# Altium PCB PCB1.PcbDoc (part 1 of 3) (continued)
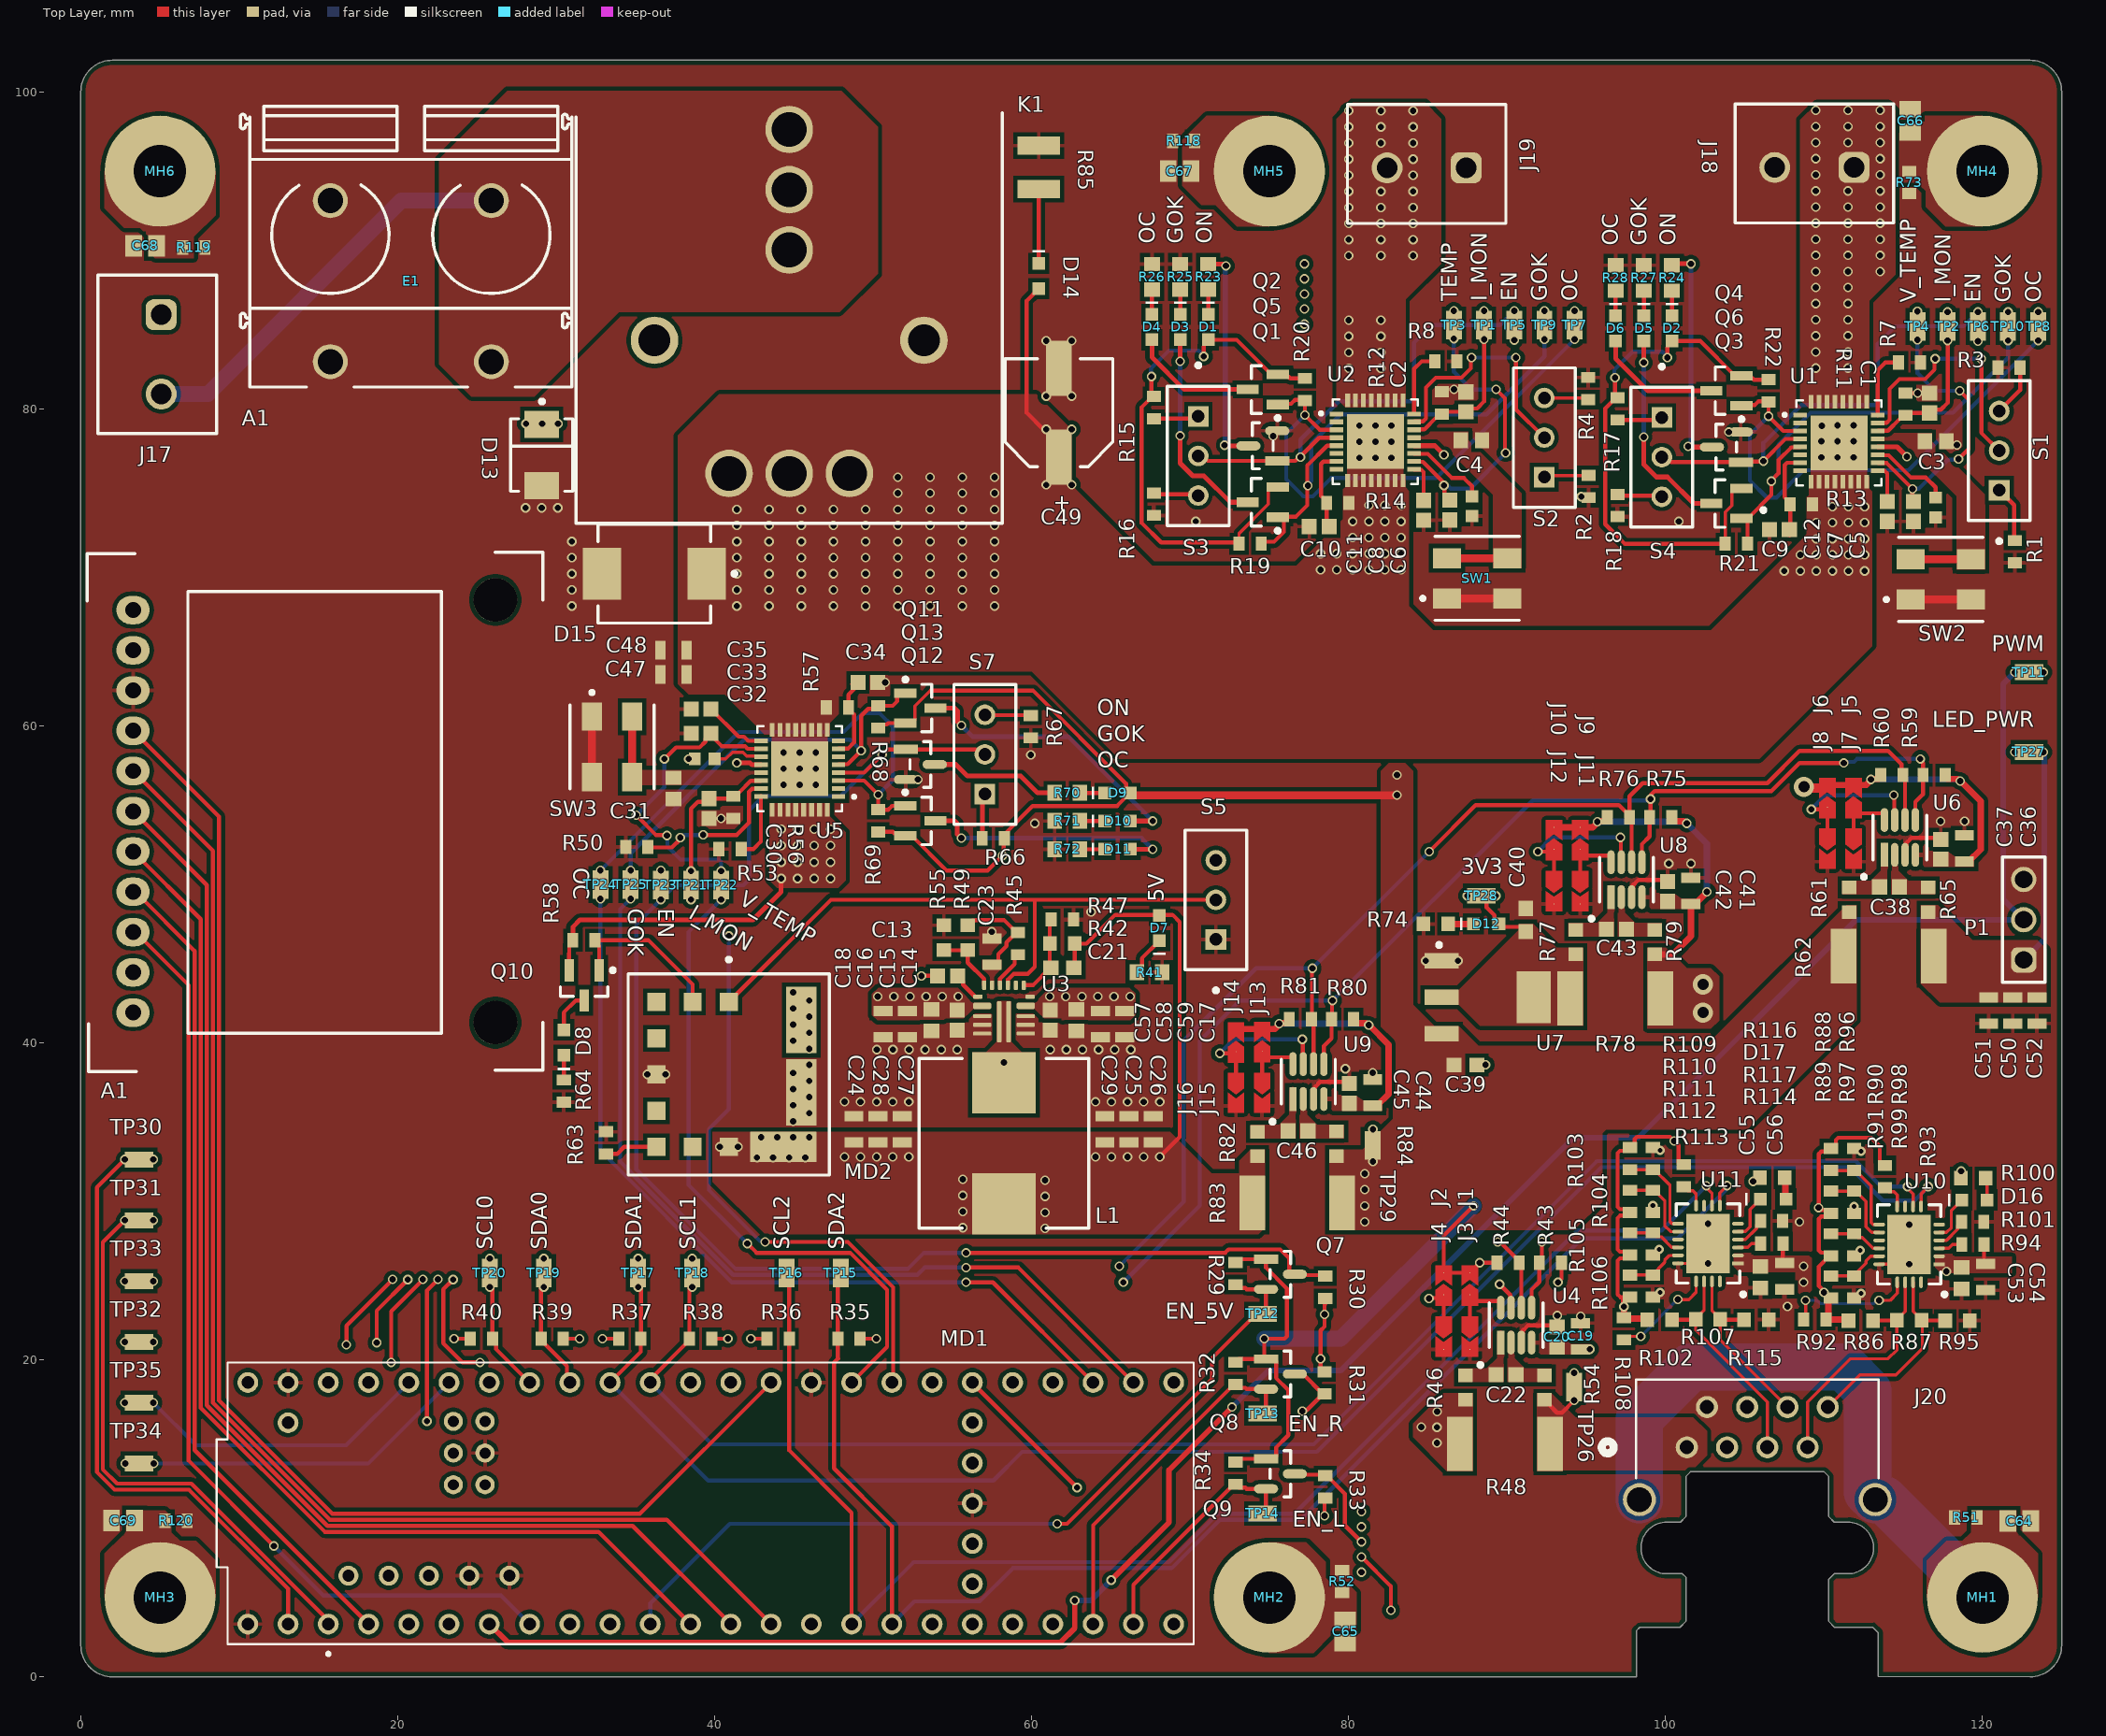
[diagram p0: Top Layer view]
## Components (designator, comment, footprint, x,y, rotation, side; value= is the part's Value field where it differs from the comment)
A1 "4383" 4383-Footprint-1 3.302,54.61 r270 top
C1 "Capacitor 100 nF +/-10% 50 V 0603" CAPC1608X90X40NL10T20 116.662,80.367 r270 top value=100nF
C2 "Capacitor 100 nF +/-10% 50 V 0603" CAPC1608X90X40NL10T20 87.408,80.445 r270 top value=100nF
C3 "Capacitor 1uF +/- 10% 16V 0603" CAPC1608X90X35NL15T15 117.043,77.97 r180 top value=1µF
C4 "Capacitor 1uF +/- 10% 16V 0603" CAPC1608X90X35NL15T15 87.753,78.023 r180 top value=1µF
C5 "GCM188R71E184KA55D" FP-GCM188-0_1-IPC_C 117.043,73.779 r90 top value=180nF
C6 "GCM188R71E184KA55D" FP-GCM188-0_1-IPC_C 87.789,73.857 r90 top value=180nF
C7 "Capacitor 100 nF +/-10% 50 V 0603" CAPC1608X90X40NL10T20 115.646,73.525 r90 top value=100nF
C8 "Capacitor 100 nF +/-10% 50 V 0603" CAPC1608X90X40NL10T20 86.392,73.613 r90 top value=100nF
C9 "Capacitor 100 nF +/-10% 50 V 0603" CAPC1608X90X40NL10T20 107.188,72.39 r0 top value=100nF
C10 "Capacitor 100 nF +/-10% 50 V 0603" CAPC1608X90X40NL10T20 78.147,72.577 r0 top value=100nF
C11 "Capacitor 100 nF +/-10% 50 V 0603" CAPC1608X90X40NL10T20 84.741,73.603 r90 top value=100nF
C12 "Capacitor 100 nF +/-10% 50 V 0603" CAPC1608X90X40NL10T20 113.995,73.525 r90 top value=100nF
C13 "Capacitor 100 nF +/-10% 50 V 0603" CAPC1608X90X40NL10T20 54.7,44.226 r0 top value=100nF
C14 "Capacitor 100 nF +/-10% 50 V 0603" CAPC1608X90X40NL10T20 55.309,41.432 r90 top value=100nF
C15 "Capacitor 1uF +/- 10% 16V 0603" CAPC1608X90X35NL15T15 53.684,41.432 r90 top value=1µF
C16 "CAP CER 10UF 16V X5R 0805" "CAP CER 10UF 16V X5R 0805-Footprint-1" 52.16,41.178 r90 top value=10µF
C17 "CL21A226MOQNNNE" CL21A226MOQNNNE-Footprint-1 65.876,41.178 r90 top value=22µF
C18 "CL21A226MOQNNNE" CL21A226MOQNNNE-Footprint-1 50.636,41.178 r90 top value=22µF
C19 "CAP CER 10UF 16V X5R 0805" "CAP CER 10UF 16V X5R 0805-Footprint-1" 94.639,21.489 r270 top value=10µF
C20 "Capacitor 100 nF +/-10% 50 V 0603" CAPC1608X90X40NL10T20 93.157,21.434 r270 top value=100nF
C21 "CL10C221JB8NNNC" FP-CL10-IPC_B 61.939,44.734 r0 top value=220pF
C22 "Capacitor 100 nF +/-10% 50 V 0603" CAPC1608X90X40NL10T20 89.94,19.072 r180 top value=100nF
C23 "CL21A475KOFNNNE" CL21A475KOFNNNE-Footprint-1 57.494,45.75 r270 top value=4.7µF
C24 "CL21A226MOQNNNE" CL21A226MOQNNNE-Footprint-1 48.789,34.544 r270 top value=22µF
C25 "CL21A226MOQNNNE" CL21A226MOQNNNE-Footprint-1 66.15,34.544 r270 top value=22µF
C26 "CL21A226MOQNNNE" CL21A226MOQNNNE-Footprint-1 67.674,34.544 r270 top value=22µF
C27 "CAP CER 10UF 16V X5R 0805" "CAP CER 10UF 16V X5R 0805-Footprint-1" 51.837,34.544 r270 top value=10µF
C28 "CL21A226MOQNNNE" CL21A226MOQNNNE-Footprint-1 50.313,34.544 r270 top value=22µF
C29 "CAP CER 10UF 16V X5R 0805" "CAP CER 10UF 16V X5R 0805-Footprint-1" 64.626,34.544 r270 top value=10µF
C30 "Capacitor 100 nF +/-10% 50 V 0603" CAPC1608X90X40NL10T20 39.651,54.787 r90 top value=100nF
C31 "Capacitor 1uF +/- 10% 16V 0603" CAPC1608X90X35NL15T15 37.398,56.052 r90 top value=1µF
C32 "GCM188R71E184KA55D" FP-GCM188-0_1-IPC_C 39.37,57.912 r0 top value=180nF
C33 "Capacitor 100 nF +/-10% 50 V 0603" CAPC1608X90X40NL10T20 39.141,59.525 r0 top value=100nF
C34 "Capacitor 100 nF +/-10% 50 V 0603" CAPC1608X90X40NL10T20 49.667,62.738 r180 top value=100nF
C35 "Capacitor 100 nF +/-10% 50 V 0603" CAPC1608X90X40NL10T20 39.14,61.066 r0 top value=100nF
C36 "CAP CER 10UF 16V X5R 0805" "CAP CER 10UF 16V X5R 0805-Footprint-1" 118.862,52.261 r270 top value=10µF
C37 "Capacitor 100 nF +/-10% 50 V 0603" CAPC1608X90X40NL10T20 117.372,52.212 r270 top value=100nF
C38 "Capacitor 100 nF +/-10% 50 V 0603" CAPC1608X90X40NL10T20 114.129,49.835 r180 top value=100nF
C39 "CL10B105KA8NNNC" FP-CL10-IPC_B 87.376,38.608 r180 top value=1µF
C40 "CL10B105KA8NNNC" FP-CL10-IPC_B 91.186,47.752 r270 top value=1µF
C41 "CAP CER 10UF 16V X5R 0805" "CAP CER 10UF 16V X5R 0805-Footprint-1" 101.6,49.594 r270 top value=10µF
C42 "Capacitor 100 nF +/-10% 50 V 0603" CAPC1608X90X40NL10T20 100.127,49.545 r270 top value=100nF
C43 "Capacitor 100 nF +/-10% 50 V 0603" CAPC1608X90X40NL10T20 96.901,47.168 r180 top value=100nF
C44 "CAP CER 10UF 16V X5R 0805" "CAP CER 10UF 16V X5R 0805-Footprint-1" 81.522,36.859 r270 top value=10µF
C45 "Capacitor 100 nF +/-10% 50 V 0603" CAPC1608X90X40NL10T20 80.04,36.809 r270 top value=100nF
C46 "Capacitor 100 nF +/-10% 50 V 0603" CAPC1608X90X40NL10T20 76.812,34.442 r180 top value=100nF
C47 "CAP CER 10UF 16V X5R 0805" "CAP CER 10UF 16V X5R 0805-Footprint-1" 37.402,63.246 r0 top value=10µF
C48 "CAP CER 10UF 16V X5R 0805" "CAP CER 10UF 16V X5R 0805-Footprint-1" 37.402,64.77 r0 top value=10µF
C49 "875105544003" WCAP-PSLP_D6.3H5.8 61.722,79.756 r270 top value=22µF
C50 "CAP CER 10UF 16V X5R 0805" "CAP CER 10UF 16V X5R 0805-Footprint-1" 121.916,42.047 r90 top value=10µF
C51 "CAP CER 10UF 16V X5R 0805" "CAP CER 10UF 16V X5R 0805-Footprint-1" 120.392,42.047 r90 top value=10µF
C52 "CAP CER 10UF 16V X5R 0805" "CAP CER 10UF 16V X5R 0805-Footprint-1" 123.44,42.047 r90 top value=10µF
C53 "Capacitor 1uF +/- 10% 16V 0603" CAPC1608X90X35NL15T15 118.68,25.153 r90 top value=1µF
C54 "CL21A475KOFNNNE" CL21A475KOFNNNE-Footprint-1 120.204,25.215 r90 top value=4.7µF
C55 "Capacitor 1uF +/- 10% 16V 0603" CAPC1608X90X35NL15T15 105.987,25.209 r90 top value=1µF
C56 "CL21A475KOFNNNE" CL21A475KOFNNNE-Footprint-1 107.511,25.272 r90 top value=4.7µF
C57 "Capacitor 100 nF +/-10% 50 V 0603" CAPC1608X90X40NL10T20 61.177,41.432 r90 top value=100nF
C58 "Capacitor 1uF +/- 10% 16V 0603" CAPC1608X90X35NL15T15 62.828,41.432 r90 top value=1µF
C59 "CAP CER 10UF 16V X5R 0805" "CAP CER 10UF 16V X5R 0805-Footprint-1" 64.352,41.178 r90 top value=10µF
C64 "CL21A225KBFNNNE" FP-CL21-IPC_C 122.332,9.824 r180 top value=2.2µF
C65 "CL21A225KBFNNNE" FP-CL21-IPC_C 79.791,2.851 r90 top value=2.2µF
C66 "CL21A225KBFNNNE" FP-CL21-IPC_C 115.443,98.171 r270 top value=2.2µF
C67 "CL21A225KBFNNNE" FP-CL21-IPC_C 69.342,94.996 r0 top value=2.2µF
C68 "CL21A225KBFNNNE" FP-CL21-IPC_C 4.064,90.297 r0 top value=2.2µF
C69 "CL21A225KBFNNNE" FP-CL21-IPC_C 2.664,9.848 r0 top value=2.2µF
D1 "150060VS75000" WL-SMCW_0603_150060xx75000 71.152,85.16 r270 top
D2 "150060VS75000" WL-SMCW_0603_150060xx75000 100.406,85.082 r270 top
D3 "150060AS75000" WL-SMCW_0603_150060xx75000 69.374,85.16 r270 top
D4 "150060AS75000" WL-SMCW_0603_150060xx75000 67.596,85.16 r270 top
D5 "150060AS75000" WL-SMCW_0603_150060xx75000 98.628,85.082 r270 top
D6 "150060AS75000" WL-SMCW_0603_150060xx75000 96.85,85.082 r270 top
D7 "150060VS75000" WL-SMCW_0603_150060xx75000 68.072,47.244 r90 top
D8 "150060RS75000" WL-SMCW_0603_150060xx75000 30.48,40.024 r90 top
D9 "150060VS75000" WL-SMCW_0603_150060xx75000 65.424,55.772 r0 top
D10 "150060AS75000" WL-SMCW_0603_150060xx75000 65.424,53.994 r0 top
D11 "150060AS75000" WL-SMCW_0603_150060xx75000 65.424,52.216 r0 top
D12 "150060YS75000" WL-SMCW_0603_150060xx75000 88.684,47.498 r0 top
D13 "VS-10BQ015-M3/5BT" FP-95401-MFG 29.083,77.089 r270 top
D14 "150060RS75000" WL-SMCW_0603_150060xx75000 60.452,88.384 r270 top
D15 "SMDJ12A" FP-DO-214AB_SMC_J-Bend-MFG 36.195,69.596 r180 top
D16 "150060YS75000" WL-SMCW_0603_150060xx75000 119.489,30.09 r0 top
D17 "150060YS75000" WL-SMCW_0603_150060xx75000 106.796,30.146 r0 top
E1 "1934140000" LU_10_16_90_02 20.828,90.528 r180 top locked
J1 "Solder jumper" "New footprint 1" 87.654,24.79 r90 top
J2 "Solder jumper" "New footprint 1" 86.003,24.79 r90 top
J3 "Solder jumper" "New footprint 1" 87.654,21.361 r270 top
J4 "Solder jumper" "New footprint 1" 86.003,21.361 r270 top
J5 "Solder jumper" "New footprint 1" 111.868,55.562 r90 top
J6 "Solder jumper" "New footprint 1" 110.217,55.554 r90 top
J7 "Solder jumper" "New footprint 1" 111.868,52.133 r270 top
J8 "Solder jumper" "New footprint 1" 110.217,52.133 r270 top
J9 "Solder jumper" "New footprint 1" 94.615,52.895 r90 top
J10 "Solder jumper" "New footprint 1" 92.964,52.895 r90 top
J11 "Solder jumper" "New footprint 1" 94.615,49.466 r270 top
J12 "Solder jumper" "New footprint 1" 92.964,49.466 r270 top
J13 "Solder jumper" "New footprint 1" 74.542,40.162 r90 top
J14 "Solder jumper" "New footprint 1" 72.9,40.137 r90 top
J15 "Solder jumper" "New footprint 1" 74.542,36.733 r270 top
J16 "Solder jumper" "New footprint 1" 72.891,36.733 r270 top
J17 "691137710002" 691137710002 4.826,83.439 r270 top
J18 "691137710002" 691137710002 109.398,95.479 r180 top
J19 "691137710002" 691137710002 84.93,95.453 r180 top
J20 "RJULE4218201" RJULE4218201-Footprint-1 101.346,14.478 r0 top locked
K1 "3-1415001-2" 3-1415001-2-Footprint-1 44.704,84.328 r0 top locked
L1 "744325330" WE-HCI_1050 58.256,33.66 r0 top
MD1 "Teensy 4.1" FP-DEV-16771-MFG 39.751,10.947 r0 top locked
MD2 "OKL-T/6-W12P-C" FP-OKL-T-6-W12-MFG 40.894,38.006 r270 top
MH1 "PTH-M3D7X7" PTH-M2D5X5 120,5 r0 top
MH2 "PTH-M3D7X7" PTH-M2D5X5 75,5 r0 top
MH3 "PTH-M3D7X7" PTH-M2D5X5 5,5 r0 top
MH4 "PTH-M3D7X7" PTH-M2D5X5 120,95 r0 top
MH5 "PTH-M3D7X7" PTH-M2D5X5 75,95 r0 top
MH6 "PTH-M3D7X7" PTH-M2D5X5 5,95 r0 top
P1 "61300311121" 61300311121 122.602,47.77 r90 top
Q1 "BSS84AK,215" NXP-SOT23_N 74.581,74.111 r180 top
Q2 "BSS84AK,215" NXP-SOT23_N 74.581,81.223 r180 top
Q3 "BSS84AK,215" NXP-SOT23_N 103.835,74.033 r180 top
Q4 "BSS84AK,215" NXP-SOT23_N 103.843,81.145 r180 top
Q5 "BSS138" FP-318-08-IPC_B 74.589,77.667 r180 top
Q6 "BSS138" FP-318-08-IPC_B 103.843,77.589 r180 top
Q7 "BSS138" FP-318-08-IPC_B 75.701,25.4 r0 top
Q8 "BSS138" FP-318-08-IPC_B 75.701,19.104 r0 top
Q9 "BSS138" FP-318-08-IPC_B 75.701,12.808 r0 top
Q10 "BSS84AK,215" NXP-SOT23_N 31.767,43.626 r270 top
Q11 "BSS84AK,215" NXP-SOT23_N 52.986,61.12 r0 top
Q12 "BSS84AK,215" NXP-SOT23_N 52.978,54.008 r0 top
Q13 "BSS138" FP-318-08-IPC_B 52.978,57.564 r0 top
R1 "RC0603FR-074K02L" RESC1608X55X25NL10T15 122.047,70.993 r270 top value=4.02k
R2 "RC0603FR-074K02L" RESC1608X55X25NL10T15 95.143,75.101 r270 top value=4.02k
R3 "RC0603FR-1024K9L" RESC1608X55X25NL10T15 121.677,82.601 r180 top value=24.9k
R4 "RC0603FR-1024K9L" RESC1608X55X25NL10T15 95.123,81.28 r90 top value=24.9k
R7 "RC0603FR-07100KL" RESC1608X55X25NL10T15 115.392,82.923 r180 top value=100k
R8 "RC0603FR-07100KL" RESC1608X55X25NL10T15 86.138,83.001 r180 top value=100k
R11 "Resistor 10k +/-1% 0603 100 mW" RESC1608X55X25NL10T15 115.138,80.298 r270 top value=10k
R12 "Resistor 10k +/-1% 0603 100 mW" RESC1608X55X25NL10T15 85.884,80.376 r270 top value=10k
R13 "RC0603FR-071K33L" RESC1608X55X25NL10T15 108.568,73.975 r0 top value=1.33k
R14 "RC0603FR-071K33L" RESC1608X55X25NL10T15 79.314,74.059 r0 top value=1.33k
R15 "Resistor 10k +/-1% 0603 100 mW" RESC1608X55X25NL10T15 67.723,80.08 r90 top value=10k
R16 "Resistor 10k +/-1% 0603 100 mW" RESC1608X55X25NL10T15 67.723,73.984 r270 top value=10k
R17 "Resistor 10k +/-1% 0603 100 mW" RESC1608X55X25NL10T15 96.977,80.002 r90 top value=10k
R18 "Resistor 10k +/-1% 0603 100 mW" RESC1608X55X25NL10T15 96.977,73.906 r270 top value=10k
R19 "Resistor 10k +/-1% 0603 100 mW" RESC1608X55X25NL10T15 73.787,71.501 r180 top value=10k
R20 "Resistor 10k +/-1% 0603 100 mW" RESC1608X55X25NL10T15 77.248,81.223 r90 top value=10k
R21 "Resistor 10k +/-1% 0603 100 mW" RESC1608X55X25NL10T15 104.47,71.493 r180 top value=10k
R22 "Resistor 10k +/-1% 0603 100 mW" RESC1608X55X25NL10T15 106.502,81.145 r90 top value=10k
R23 "RC0603JR-07180RL" RESC0603(1608)_N 71.152,88.335 r270 top value=180
R24 "RC0603JR-07180RL" RESC0603(1608)_N 100.406,88.257 r270 top value=180
R25 "RC0603JR-07180RL" RESC0603(1608)_N 69.374,88.335 r270 top value=180
R26 "RC0603JR-07180RL" RESC0603(1608)_N 67.596,88.335 r270 top value=180
R27 "RC0603JR-07180RL" RESC0603(1608)_N 98.628,88.257 r270 top value=180
R28 "RC0603JR-07180RL" RESC0603(1608)_N 96.85,88.257 r270 top value=180
R29 "Resistor 10k +/-1% 0603 100 mW" RESC1608X55X25NL10T15 72.861,25.441 r90 top value=10k
R30 "Resistor 10k +/-1% 0603 100 mW" RESC1608X55X25NL10T15 78.525,24.577 r270 top value=10k
R31 "Resistor 10k +/-1% 0603 100 mW" RESC1608X55X25NL10T15 78.486,18.542 r90 top value=10k
R32 "Resistor 10k +/-1% 0603 100 mW" RESC1608X55X25NL10T15 72.861,19.144 r90 top value=10k
R33 "Resistor 10k +/-1% 0603 100 mW" RESC1608X55X25NL10T15 78.525,11.985 r270 top value=10k
R34 "Resistor 10k +/-1% 0603 100 mW" RESC1608X55X25NL10T15 72.861,12.848 r90 top value=10k
R35 "Resistor 10k +/-1% 0603 100 mW" RESC1608X55X25NL10T15 48.475,21.336 r0 top value=10k
R36 "Resistor 10k +/-1% 0603 100 mW" RESC1608X55X25NL10T15 44.009,21.336 r180 top value=10k
R37 "Resistor 10k +/-1% 0603 100 mW" RESC1608X55X25NL10T15 34.644,21.336 r180 top value=10k
R38 "Resistor 10k +/-1% 0603 100 mW" RESC1608X55X25NL10T15 39.11,21.336 r0 top value=10k
R39 "Resistor 10k +/-1% 0603 100 mW" RESC1608X55X25NL10T15 29.745,21.336 r0 top value=10k
R40 "Resistor 10k +/-1% 0603 100 mW" RESC1608X55X25NL10T15 25.28,21.336 r180 top value=10k
R41 "RC0603JR-07180RL" RESC0603(1608)_N 67.437,44.45 r180 top value=180
R42 "RC0603FR-0775KL" RC0603JR-0720KL-Footprint-1 61.939,46.258 r0 top value=75k
R43 "Resistor 10k +/-1% 0603 100 mW" RESC1608X55X25NL10T15 92.734,26.124 r180 top value=10k
R44 "Resistor 10k +/-1% 0603 100 mW" RESC1608X55X25NL10T15 90.067,26.124 r0 top value=10k
R45 "Resistor 10k +/-1% 0603 100 mW" RESC1608X55X25NL10T15 59.145,46.258 r90 top value=10k
R46 "RC0603JR-070RL" RC0603JR-0720KL-Footprint-1 87.38,18.25 r90 top value=0
R47 "Resistor 10k +/-1% 0603 100 mW" RESC1608X55X25NL10T15 61.939,47.782 r180 top value=10k
R48 "PE2512FKE070R16L" FP-WSL2512-0_762-IPC_B 89.866,14.694 r180 top
R49 "RC0603FR-13150KL" RC0603JR-0720KL-Footprint-1 55.97,46.639 r270 top value=150k
R50 "RC0603FR-0716K9L" RESC1608X55X25NL10T15 35.09,52.356 r0 top value=16.9k
R51 "RC0603FR-07100KL" RESC1608X55X25NL10T15 118.95,10.048 r0 top value=100k
R52 "RC0603FR-07100KL" RESC1608X55X25NL10T15 79.588,6.018 r270 top value=100k
R53 "RC0603FR-07100KL" RESC1608X55X25NL10T15 40.969,52.23 r0 top value=100k
R54 "RC0603JR-070RL" RC0603JR-0720KL-Footprint-1 92.353,18.25 r90 top value=0
R55 "RC0603FR-0751KL" RC0603JR-0720KL-Footprint-1 54.465,46.639 r90 top value=51k
R56 "RC0603FR-1024K9L" RESC1608X55X25NL10T15 41.175,54.856 r90 top value=24.9k
R57 "RC0603FR-071K33L" RESC1608X55X25NL10T15 47.745,61.168 r180 top value=1.33k
R58 "Resistor 10k +/-1% 0603 100 mW" RESC1608X55X25NL10T15 31.75,46.482 r180 top value=10k
R59 "Resistor 10k +/-1% 0603 100 mW" RESC1608X55X25NL10T15 116.948,56.896 r180 top value=10k
R60 "Resistor 10k +/-1% 0603 100 mW" RESC1608X55X25NL10T15 114.281,56.896 r0 top value=10k
R61 "RC0603JR-070RL" RC0603JR-0720KL-Footprint-1 111.589,49.022 r90 top value=0
R62 "WSL2512R0250FEA" FP-WSL2512-0_762-IPC_B 114.078,45.466 r180 top
R63 "RC0603FR-071K33L" RESC1608X55X25NL10T15 33.147,33.688 r270 top value=1.33k
R64 "RC0603FR-071K33L" RESC1608X55X25NL10T15 30.48,36.957 r270 top value=1.33k
R65 "RC0603JR-070RL" RC0603JR-0720KL-Footprint-1 116.567,49.033 r90 top value=0
R66 "Resistor 10k +/-1% 0603 100 mW" RESC1608X55X25NL10T15 57.584,52.911 r0 top value=10k
R67 "Resistor 10k +/-1% 0603 100 mW" RESC1608X55X25NL10T15 59.944,59.944 r90 top value=10k
R68 "Resistor 10k +/-1% 0603 100 mW" RESC1608X55X25NL10T15 50.325,60.564 r270 top value=10k
R69 "Resistor 10k +/-1% 0603 100 mW" RESC1608X55X25NL10T15 50.319,54.008 r270 top value=10k
R70 "RC0603JR-07180RL" RESC0603(1608)_N 62.249,55.772 r0 top value=180
R71 "RC0603JR-07180RL" RESC0603(1608)_N 62.249,54.001 r0 top value=180
R72 "RC0603JR-07180RL" RESC0603(1608)_N 62.249,52.216 r0 top value=180
R73 "RC0603FR-07100KL" RESC1608X55X25NL10T15 115.379,94.288 r90 top value=100k
R74 "RC0603FR-07100RL" RC0603JR-0720KL-Footprint-1 85.509,47.498 r180 top value=100
R75 "Resistor 10k +/-1% 0603 100 mW" RESC1608X55X25NL10T15 99.695,54.229 r180 top value=10k
R76 "Resistor 10k +/-1% 0603 100 mW" RESC1608X55X25NL10T15 97.028,54.229 r0 top value=10k
R77 "RC0603JR-070RL" RC0603JR-0720KL-Footprint-1 94.336,46.355 r90 top value=0
R78 "PE2512FKE070R16L" FP-WSL2512-0_762-IPC_B 96.825,42.799 r180 top
R79 "RC0603JR-070RL" RC0603JR-0720KL-Footprint-1 99.314,46.355 r90 top value=0
R80 "Resistor 10k +/-1% 0603 100 mW" RESC1608X55X25NL10T15 79.622,41.495 r180 top value=10k
R81 "Resistor 10k +/-1% 0603 100 mW" RESC1608X55X25NL10T15 76.955,41.495 r0 top value=10k
R82 "RC0603JR-070RL" RC0603JR-0720KL-Footprint-1 74.247,33.615 r90 top value=0
R83 "WSL2512R0250FEA" FP-WSL2512-0_762-IPC_B 76.761,29.903 r180 top
R84 "RC0603JR-070RL" RC0603JR-0720KL-Footprint-1 79.25,33.63 r90 top value=0
R85 "RC1210JR-07510RL" RESC3126X60X50NL10T20 60.452,95.242 r270 top value=510
R86 "RC0603FR-07620RL" RC0603JR-0720KL-Footprint-1 112.322,22.48 r180 top value=620
R87 "RC0603FR-07110RL" RC0603JR-0720KL-Footprint-1 115.374,22.507 r180 top value=110
R88 "Resistor 10k +/-1% 0603 100 mW" RESC1608X55X25NL10T15 110.445,32.64 r90 top value=10k
R89 "Resistor 10k +/-1% 0603 100 mW" RESC1608X55X25NL10T15 110.445,29.942 r270 top value=10k
R90 "Resistor 10k +/-1% 0603 100 mW" RESC1608X55X25NL10T15 110.445,27.257 r270 top value=10k
R91 "Resistor 10k +/-1% 0603 100 mW" RESC1608X55X25NL10T15 110.445,24.595 r270 top value=10k
R92 "Resistor 10k +/-1% 0603 100 mW" RESC1608X55X25NL10T15 109.424,22.54 r180 top value=10k
R93 "Resistor 10k +/-1% 0603 100 mW" RESC1608X55X25NL10T15 113.847,31.562 r270 top value=10k
R94 "Resistor 10k +/-1% 0603 100 mW" RESC1608X55X25NL10T15 119.401,27.277 r180 top value=10k
R95 "RC0603FR-07620RL" RC0603JR-0720KL-Footprint-1 118.426,22.48 r180 top value=620
R96 "Resistor 10k +/-1% 0603 100 mW" RESC1608X55X25NL10T15 111.896,32.64 r270 top value=10k
R97 "Resistor 10k +/-1% 0603 100 mW" RESC1608X55X25NL10T15 111.896,29.942 r90 top value=10k
R98 "Resistor 10k +/-1% 0603 100 mW" RESC1608X55X25NL10T15 111.896,27.257 r90 top value=10k
R99 "Resistor 10k +/-1% 0603 100 mW" RESC1608X55X25NL10T15 111.896,24.595 r90 top value=10k
R100 "RC0603FR-07100RL" RC0603JR-0720KL-Footprint-1 119.427,31.452 r180 top value=100
R101 "Resistor 10k +/-1% 0603 100 mW" RESC1608X55X25NL10T15 119.388,28.71 r180 top value=10k
R102 "RC0603FR-07620RL" RC0603JR-0720KL-Footprint-1 99.629,22.536 r180 top value=620
R103 "Resistor 10k +/-1% 0603 100 mW" RESC1608X55X25NL10T15 97.752,32.696 r90 top value=10k
R104 "Resistor 10k +/-1% 0603 100 mW" RESC1608X55X25NL10T15 97.752,29.998 r270 top value=10k
R105 "Resistor 10k +/-1% 0603 100 mW" RESC1608X55X25NL10T15 97.752,27.313 r270 top value=10k
R106 "Resistor 10k +/-1% 0603 100 mW" RESC1608X55X25NL10T15 97.752,24.651 r270 top value=10k
R107 "RC0603FR-07110RL" RC0603JR-0720KL-Footprint-1 102.681,22.563 r180 top value=110
R108 "Resistor 10k +/-1% 0603 100 mW" RESC1608X55X25NL10T15 97.371,21.957 r270 top value=10k
R109 "Resistor 10k +/-1% 0603 100 mW" RESC1608X55X25NL10T15 99.203,32.696 r270 top value=10k
R110 "Resistor 10k +/-1% 0603 100 mW" RESC1608X55X25NL10T15 99.203,29.998 r90 top value=10k
R111 "Resistor 10k +/-1% 0603 100 mW" RESC1608X55X25NL10T15 99.203,27.313 r90 top value=10k
R112 "Resistor 10k +/-1% 0603 100 mW" RESC1608X55X25NL10T15 99.203,24.651 r90 top value=10k
R113 "Resistor 10k +/-1% 0603 100 mW" RESC1608X55X25NL10T15 101.154,31.618 r270 top value=10k
R114 "Resistor 10k +/-1% 0603 100 mW" RESC1608X55X25NL10T15 106.708,27.333 r180 top value=10k
R115 "RC0603FR-07620RL" RC0603JR-0720KL-Footprint-1 105.733,22.536 r180 top value=620
R116 "RC0603FR-07100RL" RC0603JR-0720KL-Footprint-1 106.745,31.505 r180 top value=100
R117 "Resistor 10k +/-1% 0603 100 mW" RESC1608X55X25NL10T15 106.695,28.767 r180 top value=10k
R118 "RC0603FR-07100KL" RESC1608X55X25NL10T15 69.596,96.901 r0 top value=100k
R119 "RC0603FR-07100KL" RESC1608X55X25NL10T15 7.135,90.179 r180 top value=100k
R120 "RC0603FR-07100KL" RESC1608X55X25NL10T15 6.017,9.848 r180 top value=100k
S1 "SLW-883935-2A-D" SLW-883935-2A-D-Footprint-1 121.056,77.368 r90 top
S2 "SLW-883935-2A-D" SLW-883935-2A-D-Footprint-1 92.349,78.19 r90 top
S3 "SLW-883935-2A-D" SLW-883935-2A-D-Footprint-1 70.517,77.032 r270 top
S4 "SLW-883935-2A-D" SLW-883935-2A-D-Footprint-1 99.771,76.954 r270 top
S5 "SLW-883935-2A-D" SLW-883935-2A-D-Footprint-1 71.628,49.022 r90 top
S7 "SLW-883935-2A-D" SLW-883935-2A-D-Footprint-1 57.05,58.199 r90 top
SW1 "7914J-1-024E" FP-7914J-1-024E-MFG 88.113,69.314 r90 top
SW2 "7914J-1-024E" FP-7914J-1-024E-MFG 117.365,69.24 r90 top
SW3 "7914J-1-024E" FP-7914J-1-024E-MFG 33.528,58.674 r0 top
TP1 "RCUCTE" FP-S2761-46R-MFG 88.551,85.287 r90 top
TP2 "RCUCTE" FP-S2761-46R-MFG 117.805,85.209 r90 top
TP3 "RCUCTE" FP-S2761-46R-MFG 86.646,85.287 r90 top
TP4 "RCUCTE" FP-S2761-46R-MFG 115.9,85.209 r270 top
TP5 "RCUCTE" FP-S2761-46R-MFG 90.456,85.287 r90 top
TP6 "RCUCTE" FP-S2761-46R-MFG 119.71,85.209 r90 top
TP7 "RCUCTE" FP-S2761-46R-MFG 94.266,85.287 r90 top
TP8 "RCUCTE" FP-S2761-46R-MFG 123.52,85.209 r90 top
TP9 "RCUCTE" FP-S2761-46R-MFG 92.361,85.287 r90 top
TP10 "RCUCTE" FP-S2761-46R-MFG 121.615,85.209 r90 top
TP11 "RCUCTE" FP-S2761-46R-MFG 122.936,63.38 r180 top
TP12 "RCUCTE" FP-S2761-46R-MFG 74.588,22.901 r0 top
TP13 "RCUCTE" FP-S2761-46R-MFG 74.588,16.604 r0 top
TP14 "RCUCTE" FP-S2761-46R-MFG 74.588,10.308 r0 top
TP15 "RCUCTE" FP-S2761-46R-MFG 47.948,25.488 r270 top
TP16 "RCUCTE" FP-S2761-46R-MFG 44.536,25.488 r270 top
TP17 "RCUCTE" FP-S2761-46R-MFG 35.171,25.488 r90 top
TP18 "RCUCTE" FP-S2761-46R-MFG 38.583,25.488 r90 top
TP19 "RCUCTE" FP-S2761-46R-MFG 29.219,25.488 r90 top
TP20 "RCUCTE" FP-S2761-46R-MFG 25.806,25.488 r90 top
TP21 "RCUCTE" FP-S2761-46R-MFG 38.508,49.944 r270 top
TP22 "RCUCTE" FP-S2761-46R-MFG 40.413,49.944 r270 top
TP23 "RCUCTE" FP-S2761-46R-MFG 36.603,49.944 r270 top
TP24 "RCUCTE" FP-S2761-46R-MFG 32.793,49.985 r270 top
TP25 "RCUCTE" FP-S2761-46R-MFG 34.698,49.985 r270 top
TP26 "RCUCTE" FP-S2761-46R-MFG 94.234,18.288 r270 top
TP27 "RCUCTE" FP-S2761-46R-MFG 122.936,58.351 r180 top
TP28 "RCUCTE" FP-S2761-46R-MFG 88.392,49.276 r180 top
TP29 "RCUCTE" FP-S2761-46R-MFG 81.534,33.528 r270 top
TP30 "RCUCTE" FP-S2761-46R-MFG 3.683,32.639 r180 top
TP31 "RCUCTE" FP-S2761-46R-MFG 3.683,28.804 r180 top
TP32 "RCUCTE" FP-S2761-46R-MFG 3.683,21.133 r180 top
TP33 "RCUCTE" FP-S2761-46R-MFG 3.683,24.968 r180 top
TP34 "RCUCTE" FP-S2761-46R-MFG 3.683,13.462 r180 top
TP35 "RCUCTE" FP-S2761-46R-MFG 3.683,17.297 r180 top
U1 "STEF12H60MPUR" STEF12H60MPUR-Footprint-1 110.947,77.851 r0 top
U2 "STEF12H60MPUR" STEF12H60MPUR-Footprint-1 81.693,77.929 r0 top
U3 "TPS56C215RNNR" TPS56C215RNNR-Footprint-1 58.256,41.986 r0 top
U4 "INA219AIDCNR" FP-DCN0008A-IPC_B 90.575,22.187 r90 top
U5 "STEF12H60MPUR" STEF12H60MPUR-Footprint-1 45.366,57.302 r180 top
U6 "INA219AIDCNR" FP-DCN0008A-IPC_B 114.789,52.959 r90 top
U7 "TLV1117LV33DCYR" DCY0004A_L 88.785,42.875 r0 top
U8 "INA219AIDCNR" FP-DCN0008A-IPC_B 97.536,50.292 r90 top
U9 "INA219AIDCNR" FP-DCN0008A-IPC_B 77.463,37.558 r90 top
U10 "LTC4331IUFD#TRPBF" FP-UFD-20-05-08-1711-IPC_C 115.374,27.283 r180 top
U11 "LTC4331IUFD#TRPBF" FP-UFD-20-05-08-1711-IPC_C 102.681,27.34 r180 top

## Footprints (in the part's own frame and the unit in brackets; to place one, negate y for a bottom-side part, rotate by r counter-clockwise, add the part's x,y. Pads: shape width x height; smd on the part's side, far side on the other; paste and mask are expansions set on the pad)
3-1415001-2-Footprint-1 [mm]
  round 3 hole 2.2: 30(0,5.7) 30(0,9.5) 30(0,13.3) 87(-3.8,-8.4) 87(0,-8.4) 87(3.8,-8.4)
  round 3 hole 2: 85(8.5,0) 86(-8.5,0)
  silkscreen extent -13.45,-11.55 13.45,14.35, body extent -12.95,-11.05 12.95,14.85, height 26.4
4383-Footprint-1 [mm]
  oval 1.8x2.1 hole 1: 1(-12.7,0) 2(-10.16,0) 3(-7.62,0) 4(-5.08,0) 5(-2.54,0) 6(0,0) 7(2.54,0) 8(5.08,0) 9(7.62,0) 10(10.16,0) 11(12.7,0)
  round 2.75 hole 2.75: MH1(13.335,22.86) MH2(-13.335,22.86)
  silkscreen extent -16.33,-2.89 16.42,25.86, body extent -15.87,-2.41 15.95,25.39, height 3.11
61300311121 [mm] "Pin Header, pitch 2.54 mm, THT, Vertical, single row, 3p"
  rrect50% 1.6x1.6 hole 1.1: 1(-2.54,0)
  round 1.6 hole 1.1: 2(0,0) 3(2.54,0)
  silkscreen extent -3.96,-1.34 3.96,1.35, body extent -3.81,-1.27 3.81,1.27, height 8.57
691137710002 [mm] "Horizontal Cable Entry with Pressure Clamp, pitch 5mm, 02p"
  rrect50% 1.95x1.95 hole 1.3: 1(-2.5,0.25)
  round 1.95 hole 1.3: 2(2.5,0.25)
  silkscreen extent -5,-3.75 5,3.75, body extent -5,-3.75 5,3.75, height 11.6
"CAP CER 10UF 16V X5R 0805-Footprint-1" [mm]
  rect 0.652x1.199 smd paste+0 mask+0: 1(-0.826,0) 2(0.826,0)
  body extent -1,-0.63 1,0.63, height 1.35
CAPC1608X90X35NL15T15 [mm] "Chip Capacitor, 2-Leads, Body 1.75x0.95mm, IPC Medium Density"
  rect 0.9x1 smd: 1(-0.675,0) 2(0.675,0)
  body extent -0.87,-0.48 0.87,0.48, height 0.9
CAPC1608X90X40NL10T20 [mm] "Chip Capacitor, 2-Leads, Body 1.70x0.90mm, IPC Medium Density"
  rect 0.95x0.95 smd mask+0: 1(-0.625,0) 2(0.625,0)
  body extent -0.85,-0.45 0.85,0.45, height 0.9
CL21A226MOQNNNE-Footprint-1 [mm] "CL21A226MOQNNNE-Footprint"
  rect 0.652x1.199 smd paste+0 mask+0: 1(-0.826,0) 2(0.826,0)
  body extent -1,-0.63 1,0.63, height 1.35
CL21A475KOFNNNE-Footprint-1 [mm] "CL21A475KOFNNNE-Footprint"
  rect 0.652x1.199 smd paste+0 mask+0: 1(-0.826,0) 2(0.826,0)
  body extent -1,-0.63 1,0.63, height 1.35
DCY0004A_L [mm] "SOT223, 4-Leads, Body 6.7x3.7mm, Pitch 2.3mm, IPC High Density"
  rect 2.15x0.95 smd mask+0.07: 1(-2.9,2.3) 2(-2.9,0) 3(-2.9,-2.3)
  rect 2.15x3.25 smd mask+0.07: 4(2.9,0)
  silkscreen extent -3.2,3.18 -2.95,3.42, body extent -3.5,-3.25 3.5,3.25, height 1.62
FP-318-08-IPC_B [mm]
  rect 1.524x0.578 smd paste+0 mask+0: 1(-0.91,0.95)
  rrect100% 1.524x0.578 smd paste+0 mask+0: 2(-0.91,-0.95) 3(0.91,0)
  silkscreen extent -0.65,-1.45 0.65,1.45, body extent -1.92,-1.7 1.92,1.7, height 0.25
FP-7914J-1-024E-MFG [mm]
  rect 1.27x1.78 smd paste+0 mask+0: 1(-1.27,1.905) 2(1.27,1.905) 3(1.27,-1.905) 4(-1.27,-1.905)
  silkscreen extent -2.65,-2.65 2.65,3.53, body extent -2.5,-2.5 2.5,2.5, height 2.92
FP-95401-MFG [mil]
  rect 67.5x86 smd paste+0 mask+0: 1(-76.25,0) 2(76.25,0)
  silkscreen extent -138,-78 90,78, body extent -106,-71 106,71, height 96
FP-CL10-IPC_B [mm]
  rect 0.958x0.912 smd paste+0 mask+0: 1(-0.727,0) 2(0.727,0)
  body extent -0.8,-0.4 0.8,0.4, height 0.9
FP-CL21-IPC_C [mm]
  rect 1.055x1.356 smd paste+0 mask+0: 1(-0.726,0) 2(0.726,0)
  body extent -1,-0.63 1,0.63, height 1.45
FP-DCN0008A-IPC_B [mm]
  rect 1.505x0.455 smd paste+0 mask+0: 1(-1.1,0.975)
  rrect100% 1.505x0.455 smd paste+0 mask+0: 2(-1.1,0.325) 3(-1.1,-0.325) 4(-1.1,-0.975) 5(1.101,-0.975) 6(1.101,-0.325) 7(1.101,0.325) 8(1.101,0.975)
  silkscreen extent -2.63,-1.7 1.4,2.38, body extent -2.1,-1.7 2.1,1.7, height 0.25
FP-DEV-16771-MFG [mm]
  round 1.308 hole 0.8: 0(-26.67,-7.62) 1(-24.13,-7.62) 2(-21.59,-7.62) 3(-19.05,-7.62) 3.3V_1(6.35,-7.62) 3.3V_2(-24.13,7.62) 3.3V_3(16.51,-2.54) 4(-16.51,-7.62) 5(-13.97,-7.62) 6(-11.43,-7.62) 7(-8.89,-7.62) 8(-6.35,-7.62) 9(-3.81,-7.62) 10(-1.27,-7.62) 11(1.27,-7.62) 12(3.81,-7.62) 13(3.81,7.62) 14(1.27,7.62) 15(-1.27,7.62) 16(-3.81,7.62) 17(-6.35,7.62) 18(-8.89,7.62) 19(-11.43,7.62) 20(-13.97,7.62) 21(-16.51,7.62) 22(-19.05,7.62) 23(-21.59,7.62) 24(8.89,-7.62) 25(11.43,-7.62) 26(13.97,-7.62) 27(16.51,-7.62) 28(19.05,-7.62) 29(21.59,-7.62) 30(24.13,-7.62) 31(26.67,-7.62) 32(29.21,-7.62) 33(29.21,7.62) 34(26.67,7.62) 35(24.13,7.62) 36(21.59,7.62) 37(19.05,7.62) 38(16.51,7.62) 39(13.97,7.62) 40(11.43,7.62) 41(8.89,7.62) GND1(-29.21,-7.62) GND2(6.35,7.62) GND3(-26.67,7.62) GND4(16.51,0) ON/OFF(16.51,5.08) PROGRAM(16.51,2.54) VBAT(16.51,-5.08) VIN(-29.21,7.62) VUSB(-26.67,5.08)
  round 1.258 hole 0.75: 5V(-22.86,-4.57) D+(-17.78,-4.57) D-(-20.32,-4.57) USB_GND1(-15.24,-4.57) USB_GND2(-12.7,-4.57)
  round 1.208 hole 0.7: GND5(-14.24,3.17) LED(-16.24,3.17) R+(-16.24,5.17) R-(-14.24,5.17) T+(-14.24,1.17) T-(-16.24,1.17)
  silkscreen extent -31.18,-9.6 30.48,8.89, body extent -31.18,-8.89 30.48,8.89, height 7.15
FP-DO-214AB_SMC_J-Bend-MFG [mm]
  rect 2.4x3.3 smd paste+0 mask+0: 1(-3.3,0) 2(3.3,0)
  silkscreen extent -5.18,-3.11 3.55,3.11, body extent -3.97,-2.95 3.97,2.95, height 2.62
FP-GCM188-0_1-IPC_C [mm]
  rect 0.759x0.812 smd paste+0 mask+0: 1(-0.627,0) 2(0.627,0)
  body extent -0.8,-0.4 0.8,0.4, height 0.9
FP-OKL-T-6-W12-MFG [mil]
  rect 45x45 smd paste+0 mask+0: 1(-180,0) 5(180,0) 6(180,-180) 7(0,-180) 8(-90,-180) 9(-180,-180) 10(-180,-90) 11(180,-90) 12(90,-180)
  rect 165x75 smd paste+0 mask+0: 2(-135,180) 3(45,180)
  rect 75x165 smd paste+0 mask+0: 4(180,135)
  silkscreen extent -290,-250 250,250, body extent -270,-270 270,270, height 10
FP-S2761-46R-MFG [mm]
  rect 1.8x1 smd paste+0 mask+0: 1(0,0)
  body extent -0.8,-0.4 0.8,0.4, height 1.28
FP-UFD-20-05-08-1711-IPC_C [mm]
  rect 0.731x0.242 smd paste+0 mask+0: 1(-1.891,1.25)
  rrect100% 0.731x0.242 smd paste+0 mask+0: 2(-1.891,0.75) 3(-1.891,0.25) 4(-1.891,-0.25) 5(-1.891,-0.75) 6(-1.891,-1.25) 11(1.891,-1.25) 12(1.891,-0.75) 13(1.891,-0.25) 14(1.891,0.25) 15(1.891,0.75) 16(1.891,1.25)
  rrect100% 0.242x0.731 smd paste+0 mask+0: 7(-0.75,-2.391) 8(-0.25,-2.391) 9(0.25,-2.391) 10(0.75,-2.391) 17(0.75,2.391) 18(0.25,2.391) 19(-0.25,2.391) 20(-0.75,2.391)
  rect 2.75x3.75 smd paste-1000 mask+0: 21(0,0)
  silkscreen extent -2.35,-2.5 2,3.28, body extent -2,-2.5 2,2.5, height 0.8
FP-WSL2512-0_762-IPC_B [mm]
  rect 1.624x3.439 smd paste+0 mask+0: 1(-2.843,0) 2(2.843,0)
  body extent -3.9,-1.97 3.9,1.97, height 0.25
LU_10_16_90_02 [mm] "OMNIMATE Power - Serie LU  LU 10.16/02/90 4.5"
  round 2.2 hole 1.6: A1(-5.08,7.55) A1(-5.08,-2.61) A2(5.08,7.55) A2(5.08,-2.61)
  silkscreen extent -10.16,-8.55 10.76,9.15, body extent -10.16,-9.15 10.76,9.15, height 28.51
"New footprint 1" [mil]
  round 1 smd mask+0: 1(-27.18,0) 2(27.82,0)
  Top Layer region: -4.68,-20 10.32,0 -4.68,20 45.32,20 45.32,-20
  Top Layer region: -54.37,-20 -54.37,20 -15,20 0,0 -15,-20
NXP-SOT23_N [mm] "SOT23, 3-Leads, Body 3x1.4mm, Pitch 0.95mm, IPC Medium Density"
  rect 1.4x0.6 smd: 1(-0.95,0.95) 2(-0.95,-0.95) 3(0.95,0)
  silkscreen extent -1.08,-1.5 0.7,1.92, body extent -0.7,-1.5 0.7,1.5, height 1.1
PTH-M2D5X5 [mm]
  round 7 hole 3.3: 1(0,0)
RC0603JR-0720KL-Footprint-1 [mm] "RC0603JR-0720KL-Footprint"
  rect 0.859x0.912 smd paste+0 mask+0: 1(-0.777,0) 2(0.777,0)
  body extent -0.8,-0.4 0.8,0.4, height 0.55
RESC0603(1608)_N [mm] "Chip Resistor, Body 1.6x0.8mm, IPC Medium Density"
  rect 0.9x1 smd: 1(-0.8,0) 2(0.8,0)
  body extent -0.85,-0.47 0.85,0.47, height 0.6
RESC1608X55X25NL10T15 [mm] "Chip Resistor, 2-Leads, Body 1.70x0.90mm, IPC Medium Density"
  rect 0.7x0.9 smd: 1(-0.7,0) 2(0.7,0)
  body extent -0.85,-0.45 0.85,0.45, height 0.55
RESC3126X60X50NL10T20 [mm] "Chip Resistor, 2-Leads, Body 3.10x2.60mm, IPC Medium Density"
  rect 1.15x2.7 smd: 1(-1.375,0) 2(1.375,0)
  body extent -1.6,-1.35 1.6,1.35, height 0.6
RJULE4218201-Footprint-1 [mil]
  round 55 / inner round 60 / far side round 55 hole 35 paste-99999 mask+0: 1(0,0) 2(50,100) 3(100,0) 4(150,100) 5(200,0) 6(250,100) 7(300,0) 8(350,100)
  round 82 / inner round 60 / far side round 82 hole 62 paste-99999 mask-41: 9(-118,-130) 10(468,-130)
  silkscreen extent -211,-77 476,168, body extent -197,-600 547,157, height 366
SLW-883935-2A-D-Footprint-1 [mm]
  rect 1.3x1.3 hole 0.8: 1(-2.5,0)
  round 1.3 hole 0.8: 2(0,0) 3(2.5,0)
  silkscreen extent -5.81,-1.95 4.4,1.95, body extent -4.4,-1.95 4.4,1.95, height 6.2